# KiCad board ENV_KB_RP2040.kicad_pcb (continued)
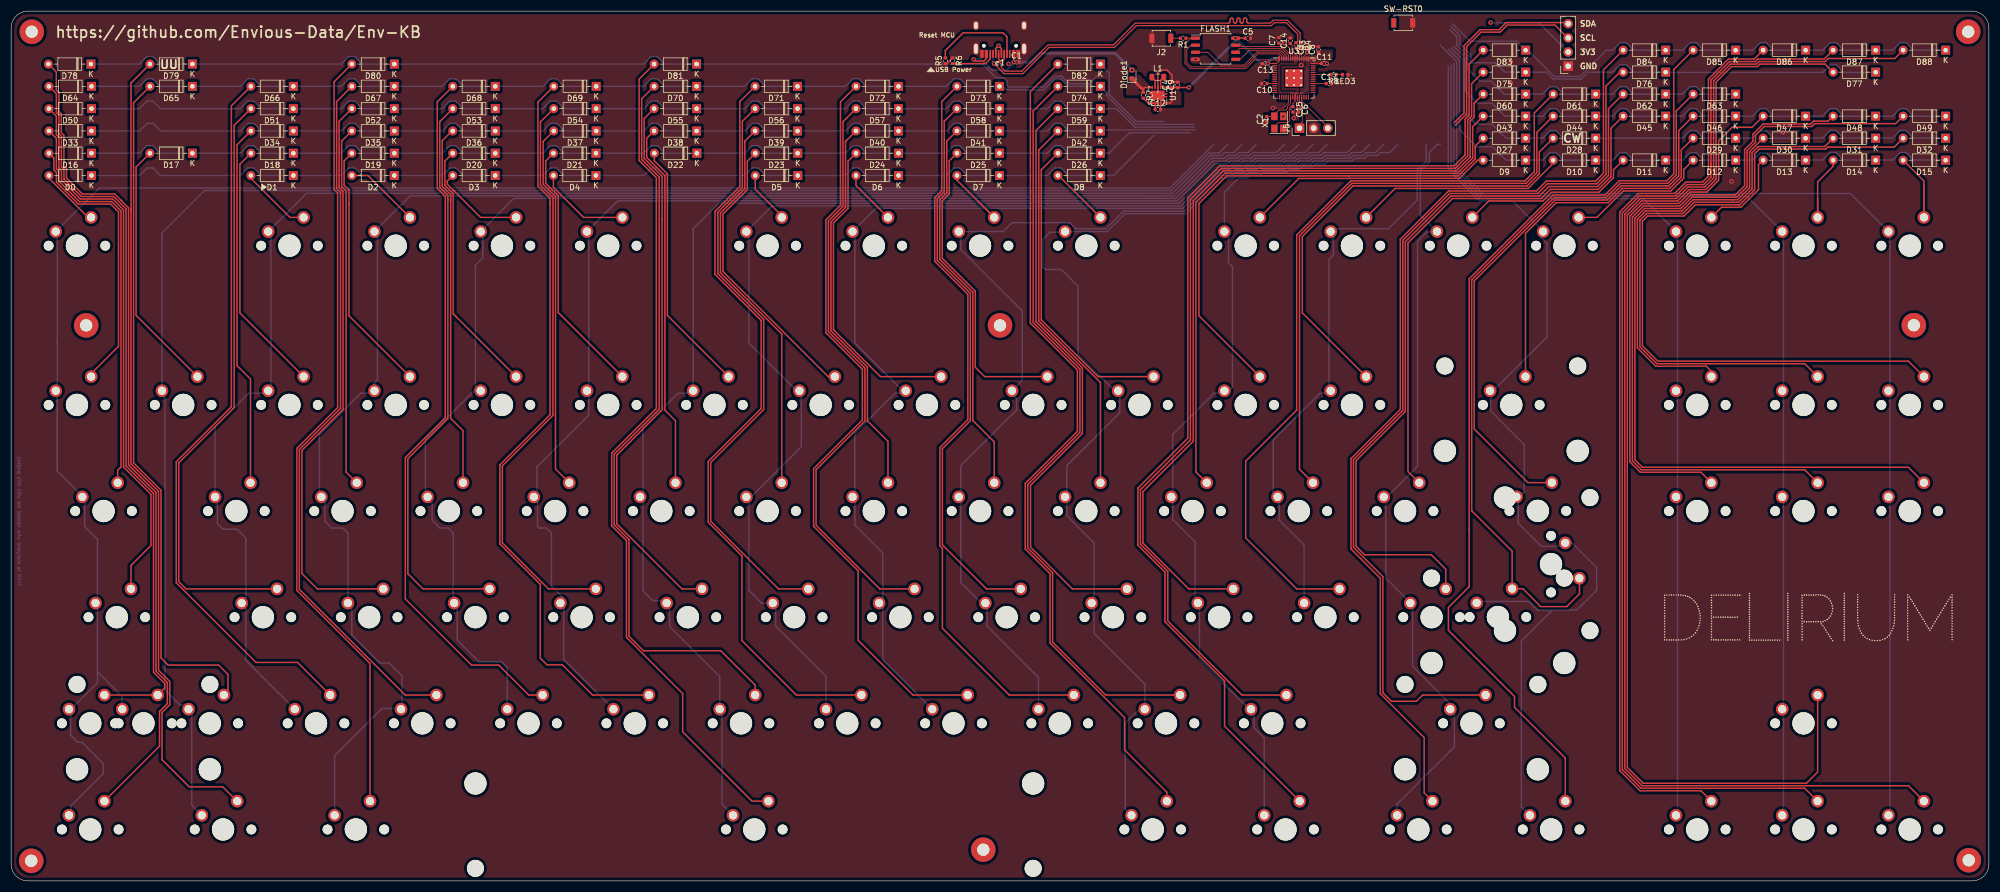
[diagram p0: board, top side]
## Routing (per net, layer and track width the routed paths; a pad name or vN(x,y) marks a point on that pad's centre or on a via; arc(x,y) is an arc through that point) (continued)
Net-(D40-Pad2): length 69.4
  Top w0.25: 149.6,132.72 D40.2 ; 149.6,132.72 149.6,120.89 146.99,118.27 146.99,98.74 153.53,92.2 153.53,82.57 157.21,78.88 K_40.2 ; 149.6,132.72 149.74,132.85
Net-(D41-Pad2): length 68.5
  Top w0.25: D41.2 167.75,132.77 167.75,123.49 166.5,122.24 166.5,111.56 172.43,105.64 172.43,82.62 176.26,78.78 K_41.2
Net-(D42-Pad2): length 69.1
  Top w0.25: D42.2 184.25,131.17 184.25,100.51 195.31,89.44 K_42.2
Net-(D43-Pad2): length 112.3
  Top w0.25: D43.2 262.05,135.37 262.05,129.74 259.29,126.99 217.62,126.99 212.43,121.79 212.43,73.4 K_43.2
Net-(D44-Pad2): length 103.9
  Top w0.25: D44.2 273.55,134.32 273.55,127.11 271.62,125.18 240.38,125.18 231,115.8 231,73.87 K_44.2
Net-(D45-Pad2): length 97
  Top w0.25: K_45.2 250.45,73.47 250.45,114.5 258.43,122.48 274.33,122.48 275.96,124.11 284.56,124.11 286.85,126.4 286.85,135.07 D45.2
Net-(D46-Pad2): length 100.8
  Top w0.25: K_46.2 271.96,71.48 262.33,81.11 262.33,107.68 276.84,122.19 286.13,122.19 288.67,124.73 296.67,124.73 297.21,124.73 299,126.53 299,134.67 D46.2
Net-(D47-Pad2): length 95.7
  Top w0.25: D47.2 312.13,135.25 308.57,135.25 306.15,132.83 306.15,130.67 306.15,125.75 304.02,123.62 301.03,123.62 298.98,121.58 292.5,121.58 290.23,119.3 290.23,75.22 292.13,73.32 302.98,73.32 K_47.2
Net-(D48-Pad2): length 126.6
  Top w0.25: D48.2 325.79,136.36 323.2,136.36 322.69,135.85 314.14,135.85 312.31,134.02 312.31,132.76 310.8,131.24 310.8,130.65 310.8,124.76 309.19,123.15 301.19,123.15 299.17,121.12 292.68,121.12 290.68,119.13 290.68,75.4 292.31,73.77 321.58,73.77 K_48.2
Net-(D49-Pad2): length 157.1
  Top w0.25: D49.2 337.89,135.91 323.39,135.91 322.88,135.4 321.65,135.4 321.65,135.4 314.32,135.4 312.76,133.84 312.76,132.57 311.25,131.06 311.25,130.75 311.25,124.58 309.37,122.7 301.38,122.7 299.35,120.67 292.87,120.67 291.13,118.94 291.13,75.59 292.5,74.23 340.18,74.23 K_49.2
Net-(D50-Pad2): length 98.6
  Top w0.25: K_50.2 21.48,56.61 25.07,60.2 25.07,69.35 20.15,74.28 20.15,120.43 18.2,122.38 12.41,122.38 9.02,125.77 9.02,127.52 8.56,127.98 8.56,133.46 8.1,133.92 8.1,137.28 6.78,138.6
Net-(D51-Pad2): length 108.4
  Top w0.25: K_51.2 31.34,52.41 30.05,53.7 30.05,75.03 40,84.97 40,135.62 D51.2
Net-(D52-Pad2): length 103.4
  Top w0.25: K_52.2 54.89,52.41 52.13,55.17 52.13,77.25 59.5,84.62 59.5,122.08 ; 59.5,122.1 59.5,123.78 58.8,124.48 58.8,136.32 D52.2
Net-(D53-Pad2): length 104.1
  Top w0.25: 76.85,136.27 D53.2 ; 76.85,136.27 76.92,136.33 ; 76.85,136.27 76.85,124.48 78.29,123.04 78.29,122.14 ; K_53.2 73.84,52.41 71.13,55.12 71.13,75.79 78.29,82.95 78.29,122.14 ; 78.29,122.14 78.29,122.4
Net-(D54-Pad2): length 103.9
  Top w0.25: 97.52,138.37 97.05,138.37 94.9,136.22 94.9,124.88 97.14,122.63 97.14,83.56 88.08,74.49 88.08,60.66 96.33,52.41 K_54.2
Net-(D55-Pad2): length 100.1
  Top w0.25: K_55.2 120.27,52.41 108.58,64.1 108.58,76.4 116.7,84.53 116.7,118.75 116.73,118.77 116.73,126.44 113.5,129.66 113.5,136.82 D55.2
Net-(D56-Pad2): length 106.7
  Top w0.25: D56.2 131.1,136.32 131.1,124.42 126.7,120.02 126.7,108.99 134.93,100.76 134.93,84.59 125.43,75.09 125.43,64.56 137.58,52.41 K_56.2
Net-(D57-Pad2): length 105.5
  Top w0.25: K_57.2 155.73,52.41 144.33,63.81 144.33,73.79 153.08,82.54 153.08,92.01 146.54,98.55 146.54,118.46 149.15,121.07 149.15,136.27 D57.2
Net-(D58-Pad2): length 101.6
  Top w0.25: K_58.2 174.88,52.41 166.98,60.31 166.98,77.59 171.98,82.59 171.98,105.45 166.05,111.38 166.05,122.42 167.3,123.67 167.3,136.32 D58.2
Net-(D59-Pad2): length 108
  Top w0.25: K_59.2 190.27,52.41 182.77,59.9 182.77,71 192.08,80.3 192.08,92.05 183.76,100.36 183.76,134.68 D59.2
Net-(D60-Pad2): length 149.9
  Top w0.25: D60.2 262.31,139.58 262.31,137.07 261.6,136.37 261.6,129.93 259.11,127.44 258.8,127.44 217.31,127.44 211.95,122.08 211.95,78.9 202.93,69.87 202.93,60.62 211.14,52.41 K_60.2
Net-(D61-Pad2): length 141.4
  Top w0.25: D61.2 273.1,137.82 273.1,127.3 271.43,125.63 240.2,125.63 230.5,115.93 230.5,84.49 221.35,75.34 221.35,61.55 230.5,52.41 K_61.2
Net-(D62-Pad2): length 136.7
  Top w0.25: D62.2 286.4,138.57 286.4,126.6 284.42,124.62 275.71,124.62 274.01,122.93 258.18,122.93 249.98,114.73 249.98,84.25 241.13,75.4 241.13,60.07 242.67,58.53 254.62,58.53 257.23,55.92 K_62.2
Net-(D63-Pad2): length 136.3
  Top w0.25: 281.19,54.31 280.82,54.68 ; 281.2,54.3 281.2,51.51 278.92,49.22 274.25,49.22 271.05,52.43 269.14,52.43 269.14,59.16 261.88,66.42 261.88,107.86 276.66,122.64 285.95,122.64 288.49,125.18 297.02,125.18 298.55,126.71 298.55,138.17 D63.2
Net-(D64-Pad2): length 131.3
  Top w0.25: K_64.2 26.25,33.35 26.25,33.35 26.28,33.35 ; K_64B1.2 27.53,34.62 27.53,35.43 25.52,37.43 25.52,69.54 20.6,74.47 20.6,120.61 18.38,122.83 12.6,122.83 9.47,125.96 9.47,127.71 9.01,128.17 9.01,133.64 8.55,134.1 8.55,137.47 8.11,137.91 8.11,141.27 6.78,142.6
Net-(D65-Pad2): length 123.5
  Top w0.25: K_65.2 38.86,33.35 38.88,33.38 38.88,37.05 37.2,38.72 28.15,38.72 26.88,40 26.88,70.1 21.95,75.02 21.95,139.67 D65.2
Net-(D66-Pad2): length 130.6
  Top w0.25: K_66.2 51.36,39.2 43.9,39.2 29.6,53.5 29.6,75.21 39.49,85.1 39.49,139.11 D66.2
Net-(D67-Pad2): length 127.2
  Top w0.25: D67.2 58.35,139.87 58.35,124.29 59.05,123.6 59.05,84.81 51.68,77.44 51.68,52.32 70.64,33.35 K_67.2
Net-(D68-Pad2): length 128.5
  Top w0.25: D68.2 76.4,139.82 76.4,124.29 77.84,122.85 77.84,83.14 70.67,75.97 70.67,50.6 82.55,38.72 87.42,38.72 92.8,33.35 K_68.2
Net-(D69-Pad2): length 134.3
  Top w0.25: D69.2 94.45,139.77 94.45,124.69 96.64,122.5 96.64,121.39 ; 96.64,121.39 96.64,83.69 87.62,74.67 87.62,60.47 94.88,53.22 94.88,39.97 96.08,38.78 98.83,38.78 104.24,33.35 K_69.2 ; 96.64,121.39 96.64,122.01
Net-(D70-Pad2): length 133.4
  Top w0.25: D70.2 113.05,140.37 113.05,129.48 116.2,126.33 116.2,84.66 108.13,76.59 108.13,63.91 110.78,61.26 110.78,43.9 113.38,41.3 127.23,41.3 133.4,35.12 K_70.2
Net-(D71-Pad2): length 137.8
  Top w0.25: D71.2 130.65,139.87 130.65,124.61 126.2,120.16 126.2,108.85 134.48,100.58 134.48,84.78 124.98,75.28 124.98,64.38 131.02,58.32 131.02,43.12 140.8,33.35 K_71.2
Net-(D72-Pad2): length 135
  Top w0.25: K_72.2 161.69,33.35 151.88,43.17 151.88,55.62 143.88,63.62 143.88,73.97 152.62,82.72 152.62,91.83 146.09,98.36 146.09,118.65 148.7,121.26 148.7,139.82 D72.2
Net-(D73-Pad2): length 132.2
  Top w0.25: D73.2 166.85,139.87 166.85,123.86 165.6,122.61 165.6,111.19 171.52,105.27 171.52,82.78 166.52,77.78 166.52,60.12 166.98,59.67 166.98,45.32 178.94,33.35 K_73.2
Net-(D74-Pad2): length 137.6
  Top w0.25: D74.2 183.25,138.17 183.25,100.24 191.63,91.86 191.63,80.49 182.28,71.14 182.28,59.76 186.73,55.31 186.73,54.94 186.73,42.86 196.23,33.35 K_74.2
Net-(D75-Pad2): length 177.3
  Top w0.25: K_75.2 220.67,33.35 207.38,46.64 207.38,55.53 202.48,60.44 202.48,70.18 211.44,79.15 211.44,122.33 217,127.89 258.92,127.89 261.15,130.11 261.15,136.55 261.86,137.26 261.86,143.08 D75.2
Net-(D76-Pad2): length 167.9
  Top w0.25: D76.2 288.45,145.15 285.95,142.65 285.95,126.8 284.28,125.13 275.45,125.13 273.7,123.38 257.93,123.38 249.53,114.98 249.53,84.44 240.68,75.59 240.68,59.88 245.94,54.61 245.94,33.77 247.48,32.23 251.96,32.23 253.09,33.35 K_76.2
Net-(D77-Pad2): length 208
  Top w0.25: K_77.2 323.9,19.53 321.9,17.53 292.61,17.53 289.78,20.36 289.78,119.49 292.31,122.03 298.8,122.03 300.85,124.07 303.83,124.07 305.7,125.94 305.7,128.12 305.7,128.12 305.7,143.39 308.46,146.15 313.09,146.15 313.54,146.6 325.23,146.6 D77.2
Net-(D78-Pad2): length 149.5
  Top w0.25: K_78.2 26.6,24.18 26.6,30.41 28,31.81 28,35.59 25.97,37.61 25.97,69.73 21.05,74.65 21.05,120.8 19.82,122.02 ; 19.82,122.02 19.62,122.22 ; 19.82,122.02 18.57,123.28 12.79,123.28 9.92,126.14 9.92,127.9 9.46,128.36 9.46,133.83 9,134.29 9,137.65 8.56,138.09 8.56,141.46 8.1,141.92 8.1,145.18 6.68,146.6
Net-(D79-Pad2): length 146.5
  Top w0.25: 40.48,14.32 37.92,16.88 31.92,16.88 27.05,21.75 27.05,30.22 28.45,31.62 28.45,35.78 26.43,37.8 26.43,69.91 21.5,74.84 21.5,120.26 ; 21.5,120.6 21.5,120.26 ; 21.5,120.26 21.5,143.22 D79.2
Net-(D80-Pad2): length 142.3
  Top w0.25: D80.2 57.9,143.42 57.9,124.1 58.54,123.47 58.54,84.94 51.23,77.62 51.23,52.12 64.35,39 K_80.2
Net-(D81-Pad2): length 151.4
  Top w0.25: K_81.2 132.85,14.31 120.4,26.75 120.4,33.62 110.33,43.7 110.33,61.07 107.67,63.72 107.67,76.78 115.69,84.79 ; D81.2 112.6,143.92 112.6,129.29 115.69,126.21 115.69,84.79
Net-(D82-Pad2): length 152.2
  Top w0.25: D82.2 182.74,141.66 182.74,100.11 191.18,91.67 191.18,80.67 181.82,71.32 181.82,59.57 186.27,55.12 186.27,42.67 199.62,29.32 199.62,23.52 207.22,15.92 K_82.2
Net-(D83-Pad2): length 197.1
  Top w0.25: D83.2 261.41,146.58 261.41,137.44 260.7,136.74 260.7,130.3 258.74,128.34 216.69,128.34 210.98,122.62 210.98,79.44 202.02,70.5 202.02,60.25 206.87,55.4 206.87,46.51 217.56,35.82 217.56,27.78 K_83.2
Net-(D84-Pad2): length 175.5
  Top w0.25: D84.2 285.5,145.57 285.5,127 284.1,125.6 275.25,125.6 273.48,123.83 257.74,123.83 249.07,115.16 249.07,84.63 240.22,75.77 240.22,59.58 245.49,54.31 245.49,33.58 253.35,25.72 253.35,15.8 K_84.2
Net-(D85-Pad2): length 172.3
  Top w0.25: 261.42,63.08 261.42,52.8 257.7,49.07 257.7,44.95 269.55,33.1 269.55,31.15 278.66,22.04 K_85.2 ; 261.42,63.08 261.42,62.88 ; 261.42,63.08 261.42,108.05 276.47,123.1 285.76,123.1 288.32,125.65 296.85,125.65 298.1,126.9 298.1,145.62 D85.2
Net-(D86-Pad2): length 166.9
  Top w0.25: K_86.2 302.98,16.17 292.05,16.17 288.42,19.8 288.42,120.06 291.74,123.38 298.24,123.38 300.29,125.43 303.28,125.43 304.32,126.47 304.32,143.93 307.9,147.5 312.53,147.5 D86.2
Net-(D87-Pad2): length 197.8
  Top w0.25: 304.77,128.77 304.77,143.74 308.09,147.05 312.72,147.05 313.17,147.5 325.08,147.5 D87.2 ; 304.78,128.77 304.78,126.29 303.46,124.97 300.47,124.97 298.42,122.93 291.93,122.93 288.88,119.88 288.88,19.99 292.24,16.62 321.58,16.62 K_87.2 ; 304.77,128.77 304.77,128.43
Net-(D88-Pad2): length 227.9
  Top w0.25: K_88.2 340.18,17.08 292.42,17.08 289.33,20.17 289.33,119.68 292.12,122.48 298.61,122.48 300.66,124.52 303.65,124.52 305.25,126.13 305.25,143.58 308.27,146.6 312.9,146.6 313.35,147.05 325.27,147.05 325.82,147.6 337.73,147.6 D88.2
Net-(L1-Pad1): length 2.1
  Top w0.25: U1.4 205.1,143.69 L1.1
Net-(L1-Pad2): length 2.1
  Top w0.25: U1.2 206.1,143.69 L1.2
Net-(LED3-Pad2): length 1.1
  Top w0.127: 237.61,144.7 LED3.2
Net-(R3-Pad2): length 2.2
  Top w0.127: U3.47 231,147.57 230.96,147.61 230.96,148.91 R3.2
Net-(R4-Pad2): length 1.9
  Top w0.127: U3.46 R4.2
Net-(R5-Pad2): length 17
  Top w0.25: 167.5,147.71 167.5,149.02 170.68,152.2 177.85,152.2 178.55,151.5 178.55,148.43
Net-(R6-Pad2): length 8
  Top w0.25: R6.2 174.71,146.69 175.55,147.52 175.55,148.43

## Copper pours and planes (outline as drawn; the poured copper is in the pictures)
+1V1 on Top: 231.9,145.8 228.2,145.8 228.2,142.3 230.93,142.3 230.93,141.62 230.25,141.62 230.25,141.9 227.75,141.9 227.75,146.27 230.75,146.27 230.75,146.9 231.6,146.9 231.6,147.97 231.9,147.97
+3V3 on Top: 237,149.19 237,147.8 236.44,147.35 235.41,146.45 232.8,146.45 232.8,143.3 234.07,143.3 234.07,142.9 232.8,142.9 232.8,141.12 230.3,141.12 230.3,140.1 230,140.1 230,141.12 227,141.12 227,146.45 226,146.45 226,146.85 229.95,146.85 229.95,148 230.75,148 230.75,146.27 227.75,146.27 227.75,141.9 230.25,141.9 230.25,141.62 230.93,141.62 230.93,142.3 231.7,142.3 231.7,145.8 231.9,145.8 231.9,148.2 234,148.22 234,149.21
+3V3 on Top: 209.82,139.22 206.4,139.22 206.4,139.97 207.5,139.97 207.5,142.02 206.4,142.02 206.4,142.77 209.82,142.77
GND on Top: 354.65,-0.05 -0.05,-0.05 -0.05,156.15 354.65,156.15
GND on Bottom: 354.65,-0.05 -0.05,-0.05 -0.05,156.15 354.65,156.15
VBUS on Top: 204.23,142.75 204.8,142.75 204.8,142.05 203.6,142.05 203.6,140.99 199.9,140.99 199.9,144.7 202.27,144.7

## Text on the board
Bottom: TYVM to everyone who helped me with this project.
F.Fab: PLEASE CHECK ALIGNMENT OF "HRO-TYPE-C-31-M-12"
F.SilkS: USB Power | Reset MCU | SDA | SCL | 3V3 | GND | CW | UU | https://github.com/Envious-Data/Env-KB
